# Altium PCB LimePSB-RPCM_1v2.PcbDoc (part 6 of 10)
Units mm, origin at the board's own origin, x right, y up, seen from the top; angles counter-clockwise.
Board outline 170 x 110 mm, 6 copper layers (Top, L2, L3, L4, L5, Bottom), stack 1.583 mm thick; 800 components, 483 nets, 3453 pads, 1534 vias.
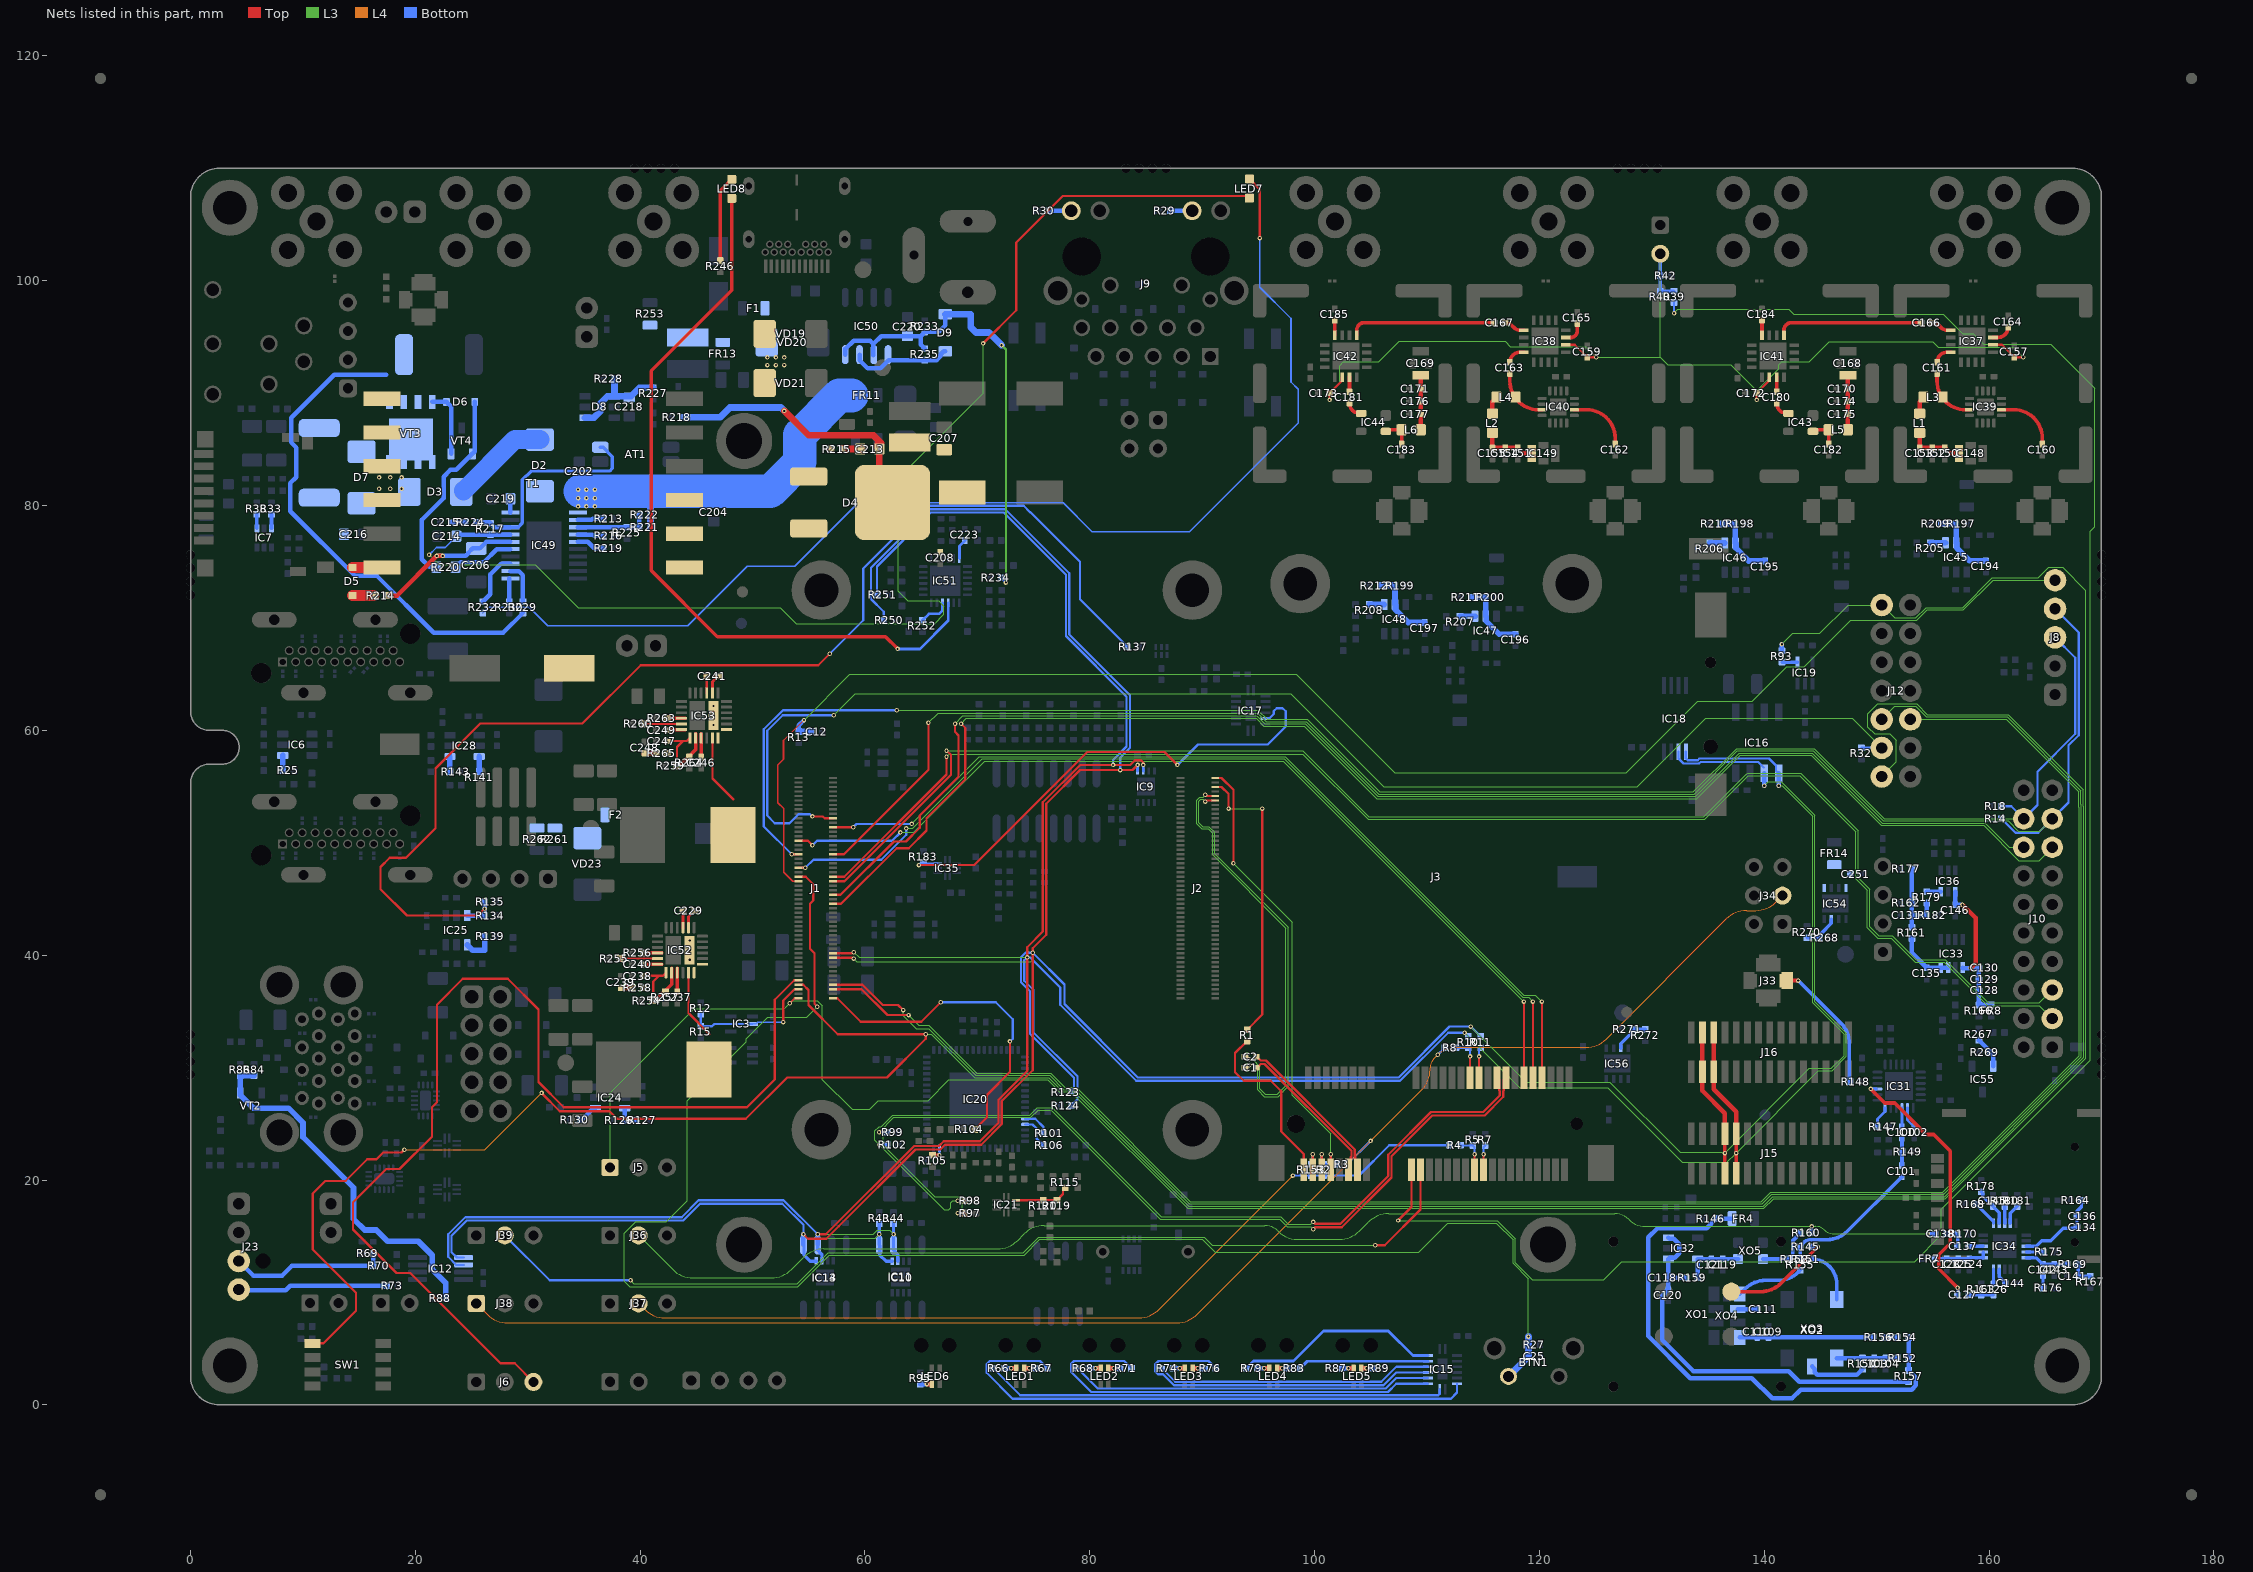
[diagram p10: the nets of this part, all layers, seen from the top]

## Via types
v1: diameter 0.4, hole 0.2, Top to Bottom, tented both sides, 1514 vias
v2: diameter 0.5, hole 0.2, Top to Bottom, tented both sides, 20 vias

## Nets (pads, with @x,y where several pads share a name; then routed paths per layer and width w, separated by ;. In a path a pad name is that pad's centre, name@x,y a point inside that pad or via, vN(x,y) a via of type N, cw(c..) or ccw(c..) an arc to the next point about the centre after c; other vN are vias at no path point) (continued)
NetC100_1: C100.1 IC31.21 | length 1.7
  Bottom w0.25: C100.1@152.25,24.75 IC31.21@152.25,26.425
NetC100_2: C100.2 C101.1 R149.2 | length 2.5
  Bottom w0.325: C101.1@152.25,21.3 R149.2@152.25,22.525 C100.2@152.25,23.75
NetC101_2: C101.2 R145.1 R151.1 R155.2 R158.1 | length 12.6
  Bottom w0.325: R151.1@143.2,12.975 R145.1@143.2,14.075 cw(c143.321,14.075) R145.1@143.235,14.16 ; R145.1@143.235,14.16 143.5,14.425 cw(c144.164,13.761) 144.164,14.7 145.598,14.7 ccw(c145.598,17.24) 147.394,15.444 152.113,20.163 152.163,20.163 152.25,20.25 C101.2@152.25,20.3
NetC102_2: C102.2 IC31.20 | length 1.9
  Bottom w0.25: IC31.20@152.75,26.425 152.75,25.35 C102.2@153.35,24.75
NetC103_2: C103.2 C104.2 R150.2 R152.1 XO2.5 XO3.4 | length 5.4
  Bottom w0.4: XO2.5@146.464,4.165 R150.2@148.74,4.165 C103.2@149.79,4.165 C104.2@150.79,4.165 R152.1@151.84,4.165
NetC109_2: C109.2 C110.2 R156.2 XO4.9 | length 11.9
  Bottom w0.4: XO4.9@137.825,6 C110.2@139.375,6 C109.2@140.375,6 R156.2@149.7,6
NetC111_2: C111.2 XO4.7 | length 1.8
  Bottom w0.4: XO4.7@137.65,8.525 C111.2@139.425,8.525
NetC118_2: C118.2 C120.2 IC32.1 IC32.3 R157.2 R159.2 | length 35.7
  Bottom w0.4: IC32.3@131.475,14.875 131.575,14.775 131.95,14.775 132.425,14.3 132.425,13.475 132.025,13.075 131.575,13.075 IC32.1@131.475,12.975 C118.2@131.475,11.3 ; R159.2@133.075,11.3 C118.2@131.475,11.3 ; R157.2@152.84,2.065 143.11,2.065 142.175,3 133.7,3 130.925,5.775 130.925,9.695 131.13,9.9 131.15,9.9 131.15,9.975 131.375,10.2 131.425,10.2 C120.2@131.475,10.25 C118.2@131.475,11.3
NetC119_2: C119.2 C121.2 IC32.5 R159.1 XO5.4 | length 5.3
  Bottom w0.4: R159.1@134.075,11.3 IC32.5@134.075,12.975 XO5.4@137.675,12.975
NetC123_2: C123.2 C124.1 C125.1 FR7.2 IC34.6 IC34.7 | length 4.8
  Bottom w0.3: FR7.2@155.2,13 C123.2@156.25,13 C125.1@157.25,13 C124.1@158.25,13 158.35,13.1 IC34.6@159.5,13.1 IC34.7@159.5,13.6
NetC126_1: C126.1 IC34.5 | length 1.3
  Bottom w0.3: C126.1@160.4,10.775 IC34.5@160.4,12.05
NetC126_2: C126.2 C127.1 R163.2 | length 2.2
  Bottom w0.3: C127.1@158.2,9.775 C126.2@160.4,9.775
NetC128_2: C128.2 C129.1 C130.1 C146.1 FR8.1 IC33.1 IC36.4 R166.2 | length 14
  Top w0.4: v1(157.637,44.488) 158.8,43.325 158.8,39.275 v1(158.374,38.849)
  Bottom w0.4: C146.1@156.999,44.49 IC36.4@156.999,45.649 ; C146.1@157.001,44.488 v1(157.637,44.488) ; IC33.1@157.649,38.884 157.649,38.849 v1(158.374,38.849) 159.099,38.849 C129.1@159.098,37.864 C128.2@159.098,36.864 R166.2@159.099,35.574 FR8.1@160.199,35.574
NetC131_2: C131.2 R161.1 R162.2 R177.2 R179.1 R182.1 | length 7.6
  Bottom w0.4: R161.1@153.14,42.489 C131.2@153.14,43.549 ; R177.2@153.14,47.675 R162.2@153.14,44.659 C131.2@153.14,43.549 ; R179.1@154.465,44.649 R182.1@154.465,43.549 C131.2@153.14,43.549
NetC134_2: C134.2 C136.1 IC34.18 R164.1 | length 7.8
  Bottom w0.3: IC34.18@163.3,14.1 164.199,14.1 164.699,14.6 165.5,14.6 166.6,15.7 167.675,15.7 167.775,15.8 C134.2@167.825,15.8 C136.1@167.825,16.8 167.825,17.225 168.225,17.625 R164.1@168.225,18.2
NetC135_1: C135.1 IC33.3 IC33.4 R161.2 | length 5.1
  Bottom w0.4: R161.2@153.14,41.489 153.14,40.208 154.374,38.974 154.424,38.974 154.474,38.924 C135.1@154.474,38.874 154.484,38.884 155.699,38.884 IC33.3@156.349,38.884
NetC137_1: C137.1 IC34.8 | length 1.3
  Bottom w0.3: C137.1@158.2,14.1 IC34.8@159.5,14.1
NetC137_2: C137.2 C138.1 R170.2 | length 2.1
  Bottom w0.3: C138.1@156.2,15.2 R170.2@157.2,15.2 C137.2@157.2,14.1
NetC141_2: C141.2 R167.1 R169.2 | length 2.1
  Bottom w0.325: R169.2@167.949,12.5 C141.2@167.949,11.45 R167.1@168.999,11.45
NetC142_1: C142.1 R176.2 | length 1.1
  Bottom w0.3: R176.2@164.799,10.4 C142.1@164.799,11.5
NetC142_2: C142.2 C143.2 IC34.20 R169.1 | length 3.9
  Bottom w0.3: IC34.20@163.3,13.1 164.199,13.1 164.649,12.65 164.699,12.65 164.849,12.5 C143.2@165.799,12.5 R169.1@166.949,12.5
NetC144_1: C144.1 IC34.4 | length 1.5
  Bottom w0.3: IC34.4@160.9,12.05 160.9,11.375 161.3,10.975 161.3,10.925 161.4,10.825 C144.1@161.45,10.825
NetC145_1: C145.1 IC34.12 R178.2 | length 3.3
  Bottom w0.3: R178.2@159.3,18.95 159.45,18.8 159.45,18.55 160.2,17.8 160.25,17.8 160.35,17.7 C145.1@160.35,17.65 ; C145.1@160.5,17.5 160.9,17.1 IC34.12@160.9,16.15
NetC148_3: C148.3 C150.2 C152.1 C153.2 L1.1 | length 5
  Top w0.4: L1.1@153.825,86.475 C153.2@153.825,85.137 C152.1@154.95,85.137 C150.2@156.075,85.137 C150.2@156.075,85.087 ; C150.2@156.175,85.037 156.575,84.637 C148.3@157.325,84.637
NetC149_3: C149.3 C151.2 C154.1 C155.2 L2.1 | length 5.1
  Top w0.4: L2.1@115.825,86.475 C155.2@115.825,85.137 C154.1@116.95,85.137 C151.2@118.075,85.137 118.075,85.087 118.125,85.037 118.175,85.037 118.575,84.637 C149.3@119.325,84.637
NetC160_1: C160.1 IC39.2 | length 5.6
  Top w0.3: IC39.2@161.1,88.525 IC39.2@161.475,88.525
  Top w0.325: IC39.2@161.475,88.525 162.2,88.525 cw(c162.2,85.985) 164.74,85.985 C160.1@164.74,85.475
NetC161_1: C161.1 IC37.12 | length 1.7
  Top w0.325: C161.1@155.375,92.75 cw(c156.275,92.75) 156.275,93.65 IC37.12@156.6,93.65
NetC161_2: C161.2 IC39.11 L3.2 | length 5
  Top w0.3: IC39.11@157.915,88.525 IC39.11@158.25,88.525
  Top w0.325: C161.2@155.375,91.75 155.375,91.065 ccw(c157.915,91.065) IC39.11@157.915,88.525
NetC162_1: C162.1 IC40.2 | length 5.6
  Top w0.3: IC40.2@123.1,88.525 IC40.2@123.475,88.525
  Top w0.325: IC40.2@123.475,88.525 124.2,88.525 cw(c124.2,85.985) 126.74,85.985 C162.1@126.74,85.475
NetC163_1: C163.1 IC38.12 | length 1.7
  Top w0.325: C163.1@117.375,92.75 cw(c118.275,92.75) 118.275,93.65 IC38.12@118.6,93.65
NetC163_2: C163.2 IC40.11 L4.2 | length 5
  Top w0.3: IC40.11@119.915,88.525 IC40.11@120.25,88.525
  Top w0.325: C163.2@117.375,91.75 117.375,91.065 ccw(c119.915,91.065) IC40.11@119.915,88.525
NetC164_2: C164.2 IC37.3 | length 1.9
  Top w0.325: IC37.3@160.35,94.95 160.775,94.95 ccw(c160.775,95.875) C164.2@161.7,95.875
NetC165_2: C165.2 IC38.3 | length 1.6
  Top w0.325: IC38.3@122.775,94.95 ccw(c122.775,95.55) 123.375,95.55 C165.2@123.375,96.2
NetC166_1: C166.1 IC41.9 | length 13
  Top w0.325: IC41.9@141.75,95.165 141.75,95.6 cw(c142.425,95.6) 142.425,96.275 C166.1@153.95,96.275
NetC166_2: C166.2 IC37.9 | length 1.9
  Top w0.325: C166.2@154.95,96.275 cw(c154.95,95.43) 155.547,96.028 155.775,95.8 ccw(c156.258,96.283) 156.258,95.6 IC37.9@156.6,95.6
NetC167_1: C167.1 IC42.9 | length 13
  Top w0.325: IC42.9@103.75,95.165 103.75,95.6 cw(c104.425,95.6) 104.425,96.275 C167.1@115.95,96.275
NetC167_2: C167.2 IC38.9 | length 1.9
  Top w0.325: C167.2@116.95,96.275 cw(c116.95,95.43) 117.547,96.028 117.775,95.8 ccw(c118.258,96.283) 118.258,95.6 IC38.9@118.6,95.6
NetC168_3: C168.3 C170.2 C174.1 C175.2 L5.1 | length 4.9
  Top w0.4: L5.1@147.44,86.75 C175.2@147.44,88.138 C174.1@147.44,89.263 C170.2@147.44,90.388 C168.3@147.44,91.613
NetC169_3: C169.3 C171.2 C176.1 C177.2 L6.1 | length 4.9
  Top w0.4: L6.1@109.44,86.75 C177.2@109.44,88.138 C176.1@109.44,89.263 C171.2@109.44,90.388 C169.3@109.44,91.613
NetC180_1: C180.1 IC41.3 | length 1.3
  Top w0.325: C180.1@141.1,90.122 IC41.3@141.1,91.415
NetC180_2: C180.2 IC43.3 | length 1.6
  Top w0.325: C180.2@141.1,89.122 ccw(c142.022,89.122) 142.022,88.2 IC43.3@142.14,88.2
NetC181_1: C181.1 IC42.3 | length 1.3
  Top w0.325: C181.1@103.1,90.122 IC42.3@103.1,91.415
NetC181_2: C181.2 IC44.3 | length 1.6
  Top w0.325: C181.2@103.1,89.122 ccw(c104.022,89.122) 104.022,88.2 IC44.3@104.14,88.2
NetC182_1: C182.1 IC43.1 L5.2 | length 2.7
  Top w0.325: IC43.1@144.34,86.75 L5.2@145.74,86.75 C182.1@145.74,85.475
NetC183_1: C183.1 IC44.1 L6.2 | length 2.7
  Top w0.325: IC44.1@106.34,86.75 L6.2@107.74,86.75 C183.1@107.74,85.475
NetC184_2: C184.2 IC41.12 | length 1.3
  Top w0.325: IC41.12@139.8,95.165 C184.2@139.8,96.5
NetC185_2: C185.2 IC42.12 | length 1.3
  Top w0.325: IC42.12@101.8,95.165 C185.2@101.8,96.5
NetC194_1: C194.1 IC45.5 R197.1 R209.2 | length 6.4
  Bottom w0.5: R209.2@155.773,78.39 R197.1@157.023,78.39 ; R197.1@157.075,78.338 IC45.5@157.075,76.7 157.125,76.65 157.125,76.238 158.263,75.1 C194.1@159.723,75.1
NetC195_1: C195.1 IC46.5 R198.1 R210.2 | length 6.4
  Bottom w0.5: R210.2@136.135,78.363 R198.1@137.385,78.363 ; R198.1@137.437,78.31 IC46.5@137.437,76.672 137.487,76.622 137.487,76.21 138.625,75.072 C195.1@140.085,75.072
NetC196_1: C196.1 IC47.5 R200.1 R211.2 | length 6.4
  Bottom w0.5: R211.2@113.925,71.85 R200.1@115.175,71.85 ; R200.1@115.227,71.798 IC47.5@115.227,70.16 115.277,70.11 115.277,69.698 116.415,68.56 C196.1@117.875,68.56
NetC197_1: C197.1 IC48.5 R199.1 R212.2 | length 6.4
  Bottom w0.5: R212.2@105.848,72.89 R199.1@107.098,72.89 ; R199.1@107.15,72.838 IC48.5@107.15,71.2 107.2,71.15 107.2,70.738 108.338,69.6 C197.1@109.798,69.6
NetC206_1: C206.1 IC49.16 R214.1 | length 13.6
  Top w0.4: R214.1@17.425,72 18.378,72 v1(21.903,75.525) v1(22.433,75.525)
  Bottom w0.4: v1(21.903,75.525) v1(22.433,75.525) 24.491,75.525 24.725,75.759 24.725,75.825 25.1,76.2 C206.1@25.425,76.2 25.75,76.2 26.325,76.775 IC49.16@28.446,76.775
NetC207_2: C207.2 C208.1 C211.1 C213.2 D4.2 L7.1 R218.1 | length 22.7
  Top w0.6: v1(52.825,88.425) 55,86.25 60.75,86.25 61.425,85.575 ; C213.2@61.125,85.475 61.125,85.175 C213.2@61.275,85.025 D4.2@61.275,82.201
  Bottom w0.6: R218.1@43.75,87.85 47.1,87.85 47.975,88.725 52.525,88.725 v1(52.825,88.425)
NetC213_1: C213.1 R215.2 | length 1.6
  Top w0.6: R215.2@57.975,85.025 C213.1@59.575,85.025
NetC215_2: C215.2 R224.2 | length 1.2
  Bottom w0.4: C215.2@23.225,78.5 R224.2@24.45,78.5
NetC216_1: C216.1 D7.C R223.1
NetC218_1: C218.1 D8.1 D8.4 R227.2 R228.1 | length 9.1
  Bottom w0.6: D8.4@35.1,87.825 35.9,87.825 36.45,88.375 36.45,89.075 37.1,89.725 D8.1@37.7,89.725 39.2,89.725 39.95,90.475 R227.2@41.15,90.475 ; D8.1@37.712,89.737 R228.1@37.712,91.262
NetC219_2: C219.2 IC49.20 | length 1.2
  Bottom w0.4: IC49.20@28.446,79.375 C219.2@28.446,80.596
NetC220_1: C220.1 D9.A IC50.2 IC50.4 R233.1 R234.1 R235.2 | length 42.5
  L3 w0.2: v1(72.15,94.275) 72.536,93.889 v1(72.536,73.15)
  Bottom w0.2: R234.1@72.116,73.57 v1(72.536,73.15)
  Bottom w0.4: IC50.4@58.245,93.425 58.259,93.439 58.259,93.934 59,94.675 60.45,94.675 60.747,94.378 ; IC50.2@60.747,93.393 60.747,94.378 ; R235.2@65.325,93.95 64.95,94.325 64.95,95.075 ; D9.A@67.15,97.025 67.15,96.025 66.575,95.45 R233.1@65.325,95.45 64.95,95.075 ; 60.747,94.378 61.443,95.075 C220.1@63.775,95.075 64.95,95.075
  Bottom w0.6: D9.A@67.15,97.025 69.4,97.025 69.4,95.875 69.875,95.4 71.025,95.4 v1(72.15,94.275)
NetC223_2: C223.2 IC51.24 | length 1.8
  Bottom w0.25: IC51.24@68.4,75.291 68.4,76.404 68.716,76.72 68.766,76.72 68.891,76.845 C223.2@68.891,76.895
NetC229_1: C229.1 IC52.15 | length 1.5
  Top w0.25: IC52.15@43.8,42.45 C229.1@43.8,43.95
NetC229_2: C229.2 IC52.5 IC52.6 IC52.7 IC52.14 IC52.26 L9.1 | length 8
  Top w0.2: IC52.5@44.3,38.45 44.3,34.85 46.175,32.975
  Top w0.25: IC52.14@44.3,42.45 44.3,43.45 C229.2@44.8,43.95
  other v2: 44.4,39.6 44.4,40.45 44.4,41.3
NetC237_1: C237.1 IC52.3 | length 2.1
  Top w0.309: C237.1@43.3,36.75 IC52.3@43.3,38.45 IC52.3@43.3,38.85
NetC238_1: C238.1 IC52.1 R258.2 | length 3.7
  Top w0.2: C238.1@40.35,38.175 41.675,38.175 ; 41.157,36.75 41.157,37.657 41.675,38.175 ; IC52.1@42.3,38.45 42.025,38.175 41.675,38.175
NetC239_1: C239.1 R258.1 | length 1
  Top w0.5: C239.1@38.261,37.1 R258.1@39.3,37.1
NetC240_1: C240.1 IC52.24 | length 1.7
  Top w0.309: C240.1@40.25,39.2 IC52.24@41.9,39.2
NetC241_1: C241.1 IC53.15 | length 1.5
  Top w0.25: IC53.15@45.925,63.325 C241.1@45.925,64.825
NetC241_2: C241.2 IC53.5 IC53.6 IC53.7 IC53.14 IC53.26 L10.1 | length 8
  Top w0.2: IC53.5@46.425,59.325 46.425,55.725 48.3,53.85
  Top w0.25: IC53.14@46.425,63.325 46.425,64.325 C241.2@46.925,64.825
  other v2: 46.525,60.475 46.525,61.325 46.525,62.175
NetC246_1: C246.1 IC53.3 | length 2.1
  Top w0.309: C246.1@45.425,57.625 IC53.3@45.425,59.325 IC53.3@45.425,59.725
NetC247_1: C247.1 IC53.1 R265.2 | length 3.7
  Top w0.2: C247.1@42.475,59.05 43.8,59.05 ; 43.282,57.625 43.282,58.532 43.8,59.05 ; IC53.1@44.425,59.325 44.15,59.05 43.8,59.05
NetC248_1: C248.1 R265.1 | length 1
  Top w0.5: C248.1@40.386,57.975 R265.1@41.425,57.975
NetC249_2: C249.2 IC53.24 | length 1.7
  Top w0.309: C249.2@42.375,60.075 IC53.24@44.025,60.075
NetC251_2: C251.2 FR14.2 IC54.5 IC54.8
NetD2_C: D2.C D3.C | length 8.7
  Bottom w1.7: D3.C@24.3,81.325 28.85,85.875 D2.C@31.075,85.875
NetD3_A: D3.A D7.A R223.2 T1.3 T1.4 VT3.5 VT3.6 VT3.7 VT3.8 VT3.PAD
  other v1: 16.775,81.5 17.775,81.5 18.775,81.5 16.775,82.5 17.775,82.5 18.775,82.5
NetD4_1: D4.1 D4.3 R215.1 T1.7 T1.8 T1.9
NetD5_C: D5.C R214.2 | length 1.9
  Top w1: D5.C@14.4,72 R214.2@16.3,72
NetD6_A: D6.A R220.1 VT4.1 | length 17.9
  Bottom w0.4: R220.1@21.875,74.525 21.875,74.575 21.225,74.575 20.575,75.225 20.575,78.725 22.525,80.675 22.525,82.575 23.125,83.175 23.65,83.175 VT4.1@25.075,84.6 25.275,84.8 D6.A@25.275,89.225
NetD6_C: D6.C VT3.4 VT4.2 | length 6.1
  Bottom w0.4: VT3.4@21.505,89.22 21.51,89.225 D6.C@22.775,89.225 22.775,89.175 22.875,89.075 22.925,89.075 23.175,88.825 VT4.2@23.175,84.6
NetD9_C: D9.C IC50.1 IC50.3 R235.1 | length 9.2
  Bottom w0.4: IC50.3@59.515,93.425 59.515,92.935 60.25,92.2 61.352,92.2 62.102,92.95 R235.1@65.325,92.95 66.375,92.95 66.74,93.315 66.74,93.47 66.995,93.725 D9.C@67.15,93.725
NetF1_2: F1.2 VD19.K VD20.K VD21.K
  other v1: 51.325,92.5 52.075,92.5 52.825,92.5 51.325,93.175 52.075,93.175 52.825,93.175
NetF2_2: F2.2 R261.1 R262.1 VD23.K
NetFR4_2: FR4.2 R146.1 R152.2 R154.1 R157.1 | length 48.1
  Bottom w0.4: FR4.2@137.15,16.575 R146.1@135.725,16.575 134.875,15.725 130.5,15.725 129.675,14.9 129.675,6.125 133.425,2.375 138.9,2.375 140.7,0.575 142.475,0.575 143.25,1.35 153.114,1.35 153.5,1.736 153.5,2.405 R157.1@152.84,3.065 R152.2@152.84,4.165 R154.1@152.84,5.985
NetFR13_1: FR13.1 L8.1 R253.1
NetIC6_4: IC6.4 R25.2 | length 1.3
  Bottom w0.5: R25.2@8.2,56.438 IC6.4@8.2,57.775
NetIC7_4: IC7.4 R38.1 | length 1.2
  Bottom w0.325: IC7.4@5.9,77.975 R38.1@5.9,79.225
NetIC7_6: IC7.6 R33.1 | length 1.3
  Bottom w0.325: IC7.6@7.2,77.975 R33.1@7.2,79.225
NetIC19_4: IC19.4 R93.2 | length 1.4
  Bottom w0.3: R93.2@141.575,66.075 142.959,66.075 IC19.4@142.965,66.08
NetIC20_44: IC20.44 R101.2 | length 2.5
  Bottom w0.2: IC20.44@74.25,25.45 75.15,25.45 75.875,24.725 R101.2@75.875,24.175
NetIC20_45: IC20.45 R106.1 | length 2.9
  Bottom w0.2: IC20.45@74.25,24.95 74.9,24.95 75.25,24.6 75.25,23.7 R106.1@75.875,23.075
NetIC20_63: IC20.63 R105.1 | length 1.2
  Top w0.3: R105.1@66.012,22.212 66.613,22.212 v1(66.625,22.225)
  Bottom w0.2: v1(66.625,22.225) IC20.63@66.625,22.825
NetIC21_10: IC21.10 R115.1 R119.2 R120.1 | length 5
  Top w0.2: IC21.10@73.425,18.2 R119.2@77,18.2 ; R119.2@77.075,18.2 77.625,18.75 77.625,19.106 R115.1@77.825,19.306
NetIC24_3: IC24.3 R126.1 R127.1 | length 2.1
  Bottom w0.4: IC24.3@38.625,26.387 R126.1@38.625,25.329 R127.1@39.666,25.329
NetIC24_4: IC24.4 R130.1 | length 1.7
  Bottom w0.4: R130.1@34.7,25.375 34.8,25.475 34.913,25.475 35.825,26.387 IC24.4@36.025,26.387
NetIC25_3: IC25.3 R134.1 R135.1 R137.1 | length 107.9
  Top w0.2: v1(26.158,44.142) 25.541,43.525 19.25,43.525 16.9,45.875 16.9,47.85 17.725,48.675 19.174,48.675 21.785,51.286 21.785,56.611 25.799,60.625 34.875,60.625 40.05,65.8 55.85,65.8 v1(56.875,66.825)
  Bottom w0.2: v1(56.875,66.825) 59.85,69.8 59.85,74.4 65.425,79.975 69.5,79.975 74.116,79.975 74.691,79.4 74.725,79.4 79.125,75 79.125,71.675 R137.1@83.35,67.45
  Bottom w0.4: IC25.3@24.608,43.53 R134.1@26.158,43.53 v1(26.158,44.142) R135.1@26.158,44.755
NetIC25_4: IC25.4 R139.1 | length 3
  Bottom w0.5: IC25.4@24.608,40.93 25.083,40.455 26.158,40.455 R139.1@26.158,41.68
NetIC28_3: IC28.3 R141.1 | length 1.3
  Bottom w0.5: R141.1@25.675,56.338 IC28.3@25.675,57.675
NetIC28_4: IC28.4 R143.2 | length 1.3
  Bottom w0.5: R143.2@23.075,56.338 IC28.4@23.075,57.675
NetIC31_24: IC31.24 R147.1 | length 2
  Bottom w0.25: R147.1@150.075,24.75 150.075,25.425 150.75,26.1 IC31.24@150.75,26.425
NetIC34_11: IC34.11 R168.1 | length 2.3
  Bottom w0.3: R168.1@158.864,17.84 160.4,16.304 IC34.11@160.4,16.15
NetIC34_13: IC34.13 R180.2 | length 1.5
  Bottom w0.3: IC34.13@161.4,16.15 R180.2@161.4,17.65
NetIC34_14: IC34.14 R181.2 | length 1.7
  Bottom w0.3: IC34.14@161.9,16.15 161.9,17.05 R181.2@162.5,17.65
NetIC34_19: IC34.19 R175.1 | length 1.6
  Bottom w0.3: IC34.19@163.3,13.6 R175.1@164.849,13.6 R175.1@164.864,13.615
NetIC36_6: IC36.6 R179.2 | length 1.2
  Bottom w0.4: R179.2@154.465,45.649 IC36.6@155.699,45.649
NetIC45_4: IC45.4 R205.2 | length 1.3
  Bottom w0.5: R205.2@154.788,76.7 IC45.4@156.125,76.7
NetIC46_4: IC46.4 R206.2 | length 1.3
  Bottom w0.5: R206.2@135.15,76.672 IC46.4@136.487,76.672
NetIC47_4: IC47.4 R207.2 | length 1.3
  Bottom w0.5: R207.2@112.94,70.16 IC47.4@114.277,70.16
NetIC48_4: IC48.4 R208.2 | length 1.3
  Bottom w0.5: R208.2@104.863,71.2 IC48.4@106.2,71.2
NetIC49_2: IC49.2 R213.2 | length 2.3
  Bottom w0.4: IC49.2@34.454,78.725 35.675,78.725 35.8,78.85 R213.2@36.725,78.85
NetIC49_3: IC49.3 R221.1 R222.1 R225.1 | length 6.6
  Bottom w0.4: IC49.3@34.454,78.075 R225.1@38.825,78.075 R221.1@39.925,78.075 R222.1@39.925,79.175
NetIC49_4: IC49.4 R216.2 | length 2.3
  Bottom w0.4: IC49.4@34.454,77.425 35.8,77.425 35.925,77.3 R216.2@36.725,77.3
NetIC49_5: IC49.5 R219.1 | length 2.5
  Bottom w0.4: IC49.5@34.454,76.775 35.35,76.775 35.925,76.2 R219.1@36.725,76.2
NetIC49_11: IC49.11 R230.2 | length 2.1
  Bottom w0.4: R230.2@28.346,71.454 IC49.11@28.346,73.525
NetIC49_12: IC49.12 R229.2 | length 3.6
  Bottom w0.4: IC49.12@28.446,74.175 29.201,74.175 29.575,73.801 R229.2@29.575,71.45
NetIC49_15: IC49.15 R220.2 | length 5.5
  Bottom w0.4: R220.2@23.575,74.525 24.025,74.975 26.1,74.975 27.25,76.125 IC49.15@28.446,76.125
NetIC51_9: IC51.9 LED8.A | length 68
  Top w0.3: LED8.A@48.15,107.325 48.15,99.15 40.975,91.975 40.975,74.225 46.875,68.325 61.825,68.325 v1(62.9,67.25)
  Bottom w0.25: v1(62.9,67.25) 64.9,67.25 67.4,69.75 IC51.9@67.4,71.359
NetIC51_10: IC51.10 R252.2 | length 2.8
  Bottom w0.25: R252.2@65.116,69.795 65.691,70.37 66.591,70.37 66.9,70.679 IC51.10@66.9,71.359
NetIC52_2: IC52.2 R254.2 R257.2 | length 4.7
  Top w0.309: R254.2@41.084,35.959 41.218,36.093 41.443,36.093 42.052,36.702 42.089,36.739 R257.2@42.125,36.775 ; R257.2@42.004,36.604 R257.2@42.077,36.677 ; R257.2@42.152,36.752 42.8,37.4 42.8,37.625 ; IC52.2@42.8,38.85 IC52.2@42.8,38.45 ; 42.8,37.625 IC52.2@42.8,38.45 ; 42.8,37.625 IC52.2@42.8,38.45
NetIC52_22: IC52.22 R256.1 | length 1.6
  Top w0.309: R256.1@40.3,40.2 IC52.22@41.55,40.2 IC52.22@41.9,40.2
NetIC52_23: IC52.23 R255.1 | length 3.4
  Top w0.2: R255.1@38.2,39.7 IC52.23@41.55,39.7
NetIC53_2: IC53.2 R259.1 R264.2 | length 4.7
  Top w0.309: R259.1@43.209,56.834 43.343,56.968 43.568,56.968 44.177,57.577 44.214,57.614 R264.2@44.25,57.65 ; R264.2@44.13,57.479 R264.2@44.202,57.552 ; R264.2@44.277,57.627 44.925,58.275 44.925,58.5 ; IC53.2@44.925,59.725 IC53.2@44.925,59.325 ; 44.925,58.5 IC53.2@44.925,59.325 ; 44.925,58.5 IC53.2@44.925,59.325
NetIC53_22: IC53.22 R263.1 | length 1.6
  Top w0.309: R263.1@42.425,61.075 IC53.22@43.675,61.075 IC53.22@44.025,61.075
NetIC53_23: IC53.23 R260.1 | length 3.4
  Top w0.2: R260.1@40.325,60.575 IC53.23@43.675,60.575
NetIC54_3: IC54.3 R268.1 R270.1 | length 3.2
  Bottom w0.3: R270.1@143.8,41.55 R268.1@144.9,41.55 145.05,41.7 145.05,41.9 145.975,42.825 IC54.3@145.975,43.225
NetIC55_2: IC55.2 R267.2 R269.1 | length 2.9
  Bottom w0.4: R267.2@159.1,32.45 160.375,31.175 IC55.2@160.375,30.125
NetIC56_3: IC56.3 R271.1 R272.1 | length 3.2
  Bottom w0.3: IC56.3@127.25,31.725 127.25,32.125 128.175,33.05 128.175,33.25 R271.1@128.325,33.4 R272.1@129.425,33.4
NetJ3_1: J3.1 R1.2 | length 15.8